# Altium PCB AvionicsSensorBoard.PcbDoc (part 2 of 2) (continued)
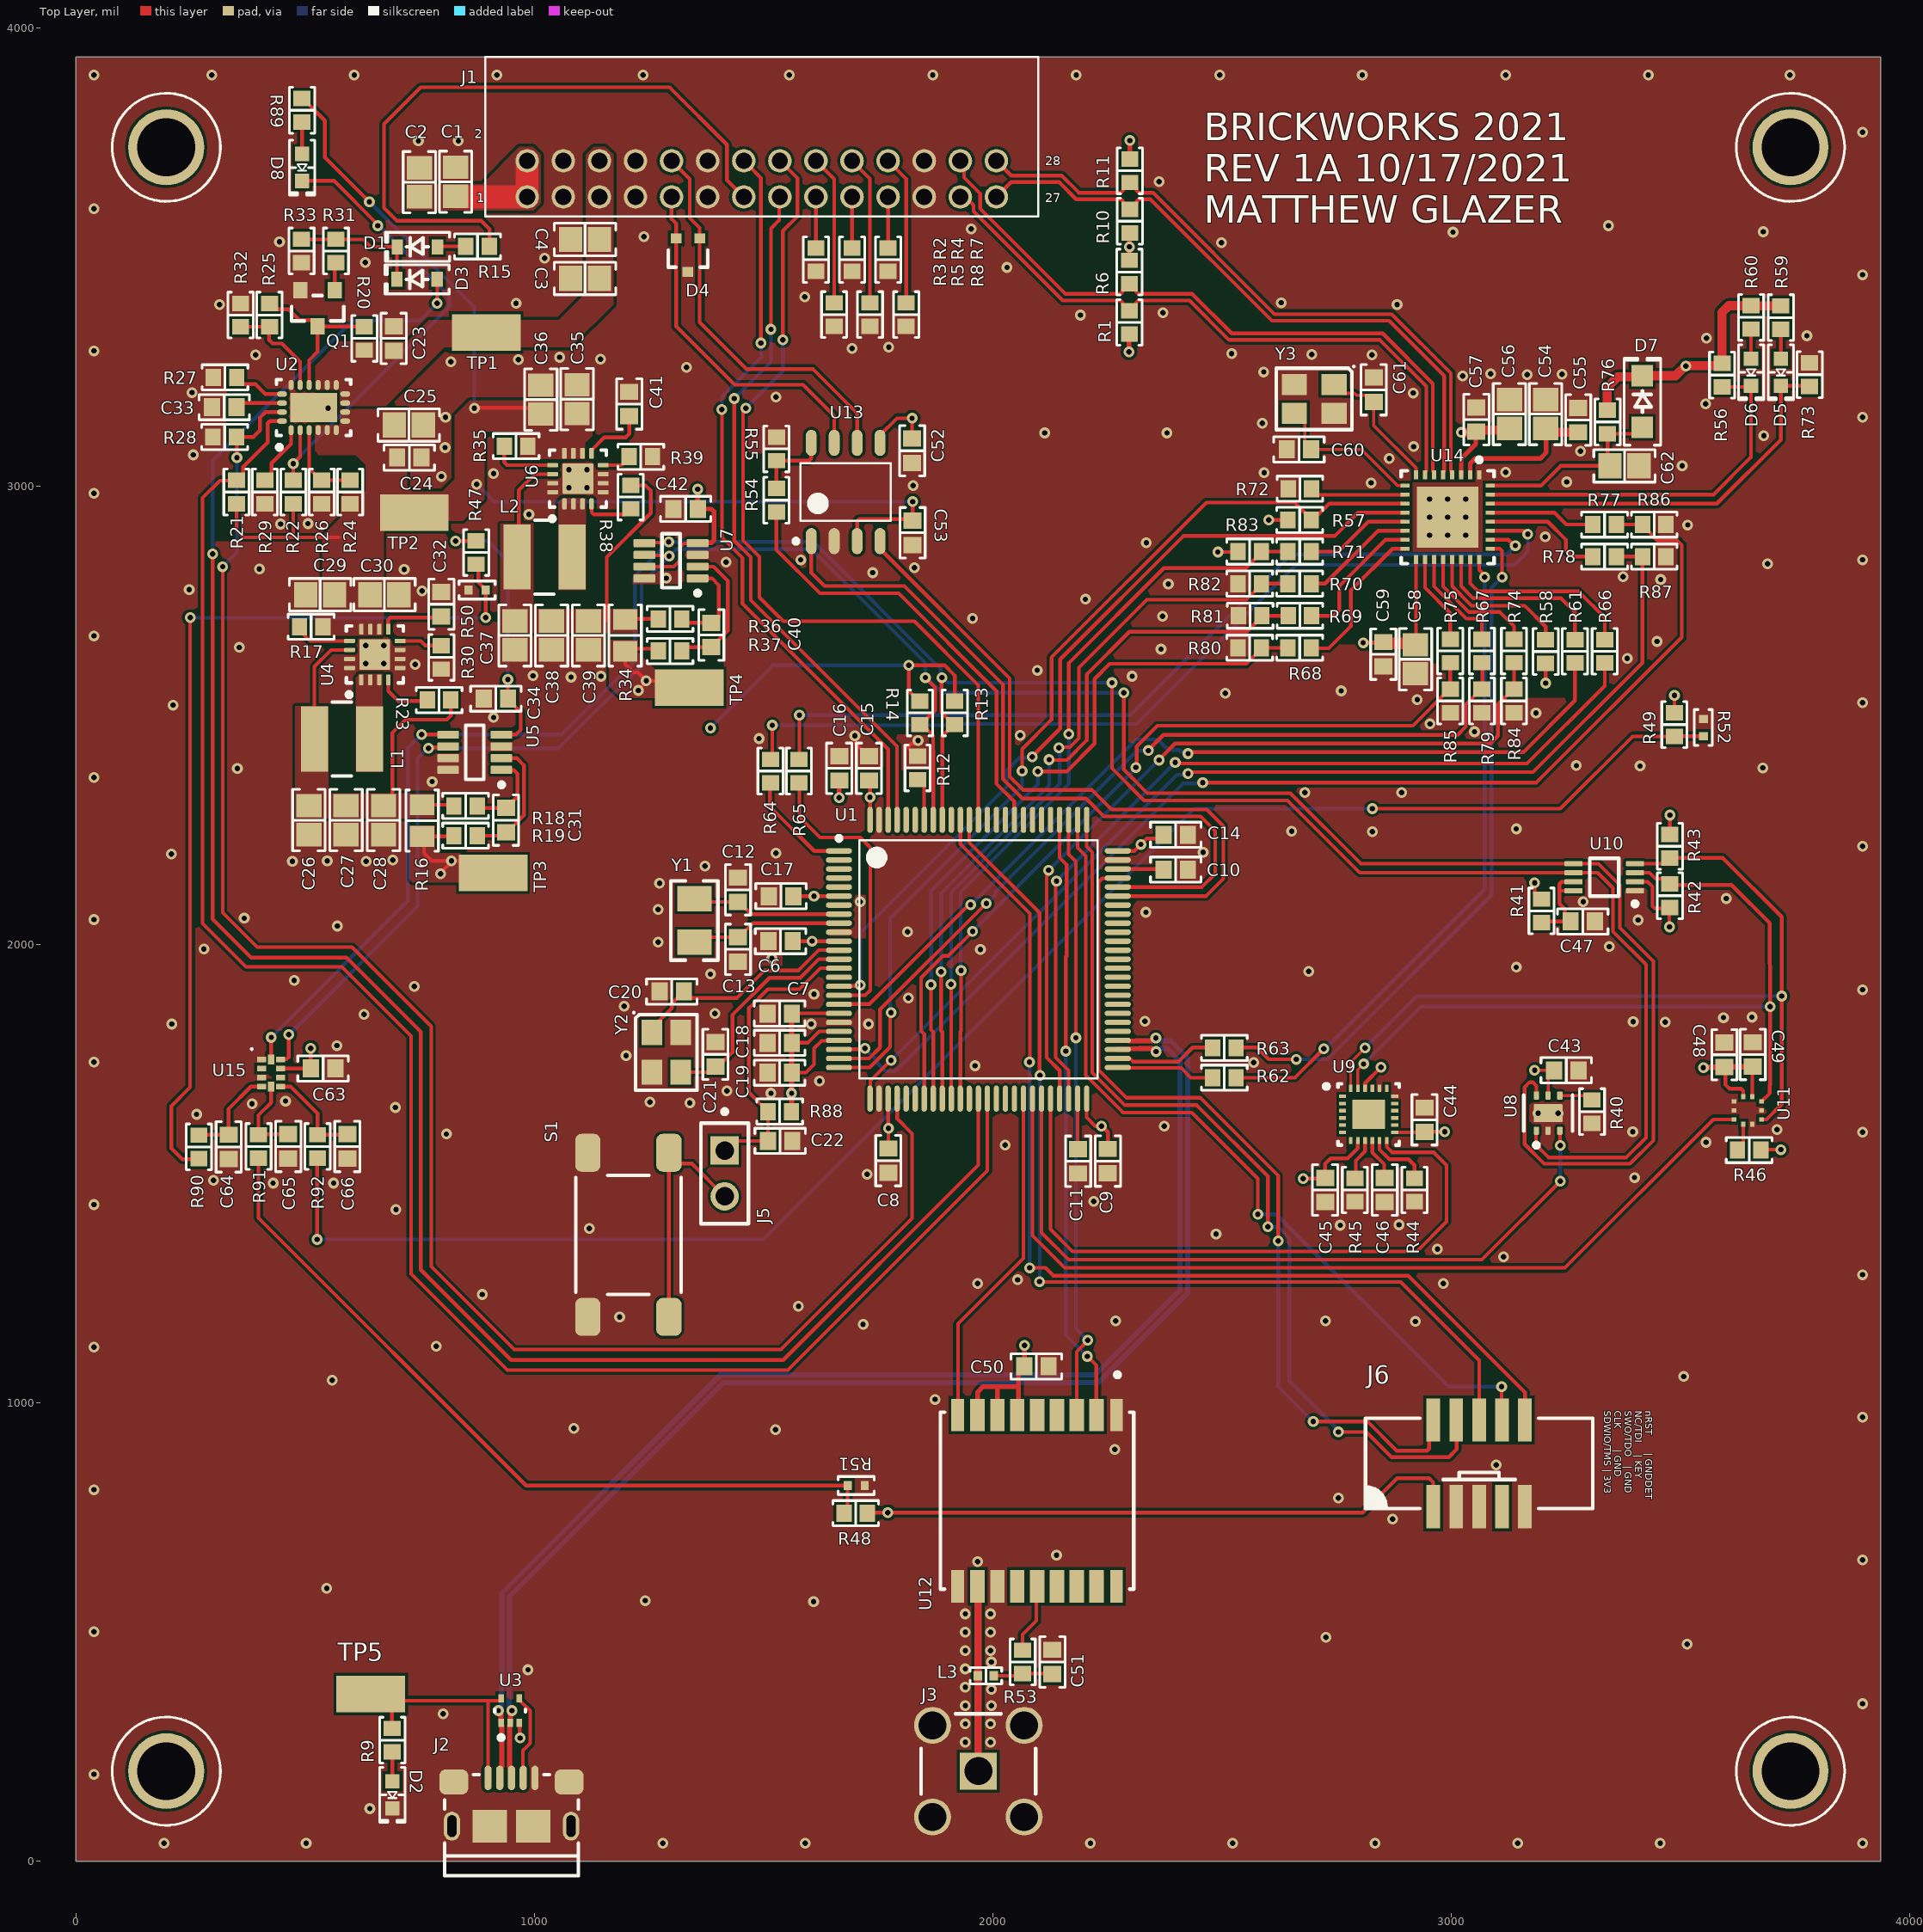
[diagram p0: Top Layer view]
## Nets (pads, with @x,y where several pads share a name; then routed paths per layer and width w, separated by ;. In a path a pad name is that pad's centre, name@x,y a point inside that pad or via, vN(x,y) a via of type N, cw(c..) or ccw(c..) an arc to the next point about the centre after c; other vN are vias at no path point) (continued)
NetJ5_2: J5.2 S1.3 S1.4 | length 518.8
  Top Layer w8: S1.3@1293.58,1187.87 S1.4@1293.58,1545.39 ; S1.4@1293.58,1546.13 S1.4@1293.58,1545.39 ; J5.2@1415,1451 1343.43,1522.57 1316.4,1522.57 S1.4@1293.58,1545.39
NetJ6_6: J6.6 U1.90 | length 2294.3
  Top Layer w8: U1.90@1929.13,2272.64 1929.13,2219.87 2081,2068 2081,1745 v1(2080,1744) ; v1(2080.59,1295) 2115,1295 2132,1278 2906,1278 3161,1023 J6.6@3161,963
  Bottom Layer w8: v1(2080,1744) 2080.3,1743.7 2080.3,1295.3 v1(2080.59,1295)
NetJ6_7: J6.7 U1.77 | length 1870.2
  Top Layer w8: U1.77@2185.04,2272.64 2185.04,2211.96 2203,2194 2203,1715.17 2284.17,1634 2434,1634 2578.19,1489.81 v1(2578.19,1412) ; J6.7@3109,965 3110,966 v1(3110,1036)
  Bottom Layer w8: v1(2578.19,1412) 2618,1412 2994,1036 v1(3110,1036)
NetJ6_8: J6.8 U1.89 | length 2235
  Top Layer w8: U1.89@1948.82,2272.64 1948.82,2223.18 2102,2070 2102,1715.81 v1(2102.81,1715) ; v1(2102,1265) 2103,1264 2890,1264 3061,1093 J6.8@3061,963 J6.8@3061,960
  Bottom Layer w8: v1(2102,1265) 2102.41,1265.41 2102.41,1714.59 v1(2102.81,1715)
NetJ6_9: J6.9 U1.76 | length 2032.1
  Top Layer w8: U1.76@2204.72,2272.64 2204.72,2214.28 2217,2202 2217,1720.97 2287.97,1650 2445,1650 2600,1495 v1(2600,1385) ; v1(2754,937) 2815,937 2870,882 2995,882 3012,899 J6.9@3012,975
  Bottom Layer w8: v1(2600,1385) 2601.36,1383.64 2623.81,1383.64 2647,1360.46 2647,1048 2754,941 v1(2754,937)
NetJ6_10: J6.10 U1.72 | length 1858.6
  Top Layer w8: U1.72@2272.64,2145.67 2248.97,2145.67 2248.3,2145 2239,2145 2231,2137 2231,1726.77 2291.77,1666 2453,1666 2622.81,1496.19 v1(2622.81,1353.81) ; v1(2699,960) 2817,960 2881,896 2947.31,896 2952,900.69 2952,954 J6.10@2961,963
  Bottom Layer w8: v1(2622.81,1353.81) 2622.81,1035.19 2698,960 v1(2699,960)
NetL1_1: L1.1 U4.1 U4.2 U4.3
NetL2_1: L2.1 U6.1 U6.2 U6.3
NetQ1_1: Q1.1 R31.1 | length 60.8
  Top Layer w8: R31.1@564,3489 564.4,3488.6 Q1.1@564.4,3428.37
NetQ1_3: Q1.3 R20.1 R25.2 U2.14 | length 366.3
  Top Layer w8: R25.2@422,3399.59 434.73,3386.86 463.14,3386.86 486.65,3363.35 515.25,3363.35 527,3351.6 Q1.3@527,3349.63 ; U2.14@508.5,3221.5 508.5,3275.5 527,3294 Q1.3@527,3349.63 ; R20.1@630.41,3349 527.63,3349 Q1.3@527,3349.63
NetR12_1: R12.1 U1.94 | length 96.8
  Top Layer w8: R12.1@1835,2360.41 R12.1@1836,2360.41 1836.97,2360.41 1850,2347.38 U1.94@1850,2271
NetR13_1: R13.1 U1.92 U5.5 U7.5 U8.1 U10.6 U15.10 | length 5475.7
  Top Layer w8: U15.10@425.67,1749.69 425.83,1749.85 425.83,1797.83 v1(426,1798) ; v1(754,2459) 754.31,2458.69 810.31,2458.69 U5.5@812,2457 ; U7.5@1243.39,2876.39 1244.69,2877.69 1291.69,2877.69 v1(1293,2879) ; v1(1889,2583) 1888,2582 1888,2507.44 1915.03,2480.41 R13.1@1917,2480.41 ; U1.92@1890,2272 1890,2456.38 1891,2456.38 1914.62,2480 R13.1@1915.03,2480 ; v1(2260,2571.81) 2260,2385 2330,2315 2643,2315 2800.68,2157.32 U10.6@3267,2157.32 3319.68,2157.32 3353,2124 3353,2029 3425,1957 3425,1579 3382,1536 3212,1536 3185,1563 3185,1593 U8.1@3186,1594
  Bottom Layer w8: v1(426,1798) 724,2096 724,2429 v1(754,2459) 1059,2459 1219,2619 1219,2804.66 1293,2878.66 v1(1293,2879) 1608.8,2879 1886.01,2601.79 1886.01,2584.99 v1@1888,2583 ; v1@1890,2579 1894.31,2579 1901.5,2571.81 v1(2260,2571.81)
NetR14_1: R14.1 U1.93 U5.6 U7.6 U8.6 U10.5 U15.9 | length 5641.5
  Top Layer w8: U15.9@444,1750 459,1750 464,1755 v1(464,1804) ; v1(769,2429) 770.9,2430.9 801.9,2430.9 U5.6@803,2432 ; U7.6@1233.1,2849.9 U7.6@1235,2848 ; U7.6@1243.4,2850.4 1244.4,2849.4 1292.6,2849.4 v1(1294,2848) ; R14.1@1841,2480.41 R14.1@1842.97,2480.41 ; R14.1@1845,2482.44 1874,2511.44 1874,2561.54 1853,2582.54 v1(1853,2583) ; R14.1@1845.97,2480.41 1870,2456.38 1870,2423.16 1870.08,2423.08 U1.93@1870.08,2272.64 ; v1(2286,2550) 2286,2382 2337,2331 2649,2331 2803,2177 U10.5@3267,2177 3321,2177 3368,2130 3368,2037 3441,1964 3441,1573 3390,1522 3203,1522 3160,1565 3160,1689 3171.19,1700.19 3177.81,1700.19 3186,1692 U8.6@3186,1671
  Bottom Layer w8: v1(464,1804) 465,1804 745,2084 745,2407 767,2429 1053,2429 1234,2610 1234,2788 1309,2863 1605,2863 1853,2615 v1(1853,2583) ; v1@1856,2582.54 1888.54,2550 v1(2286,2550)
NetR17_1: R17.1 U4.13 | length 127.9
  Top Layer w8: R17.1@485,2688.44 510.44,2663 559.7,2663 ; R17.1@486,2693.44 R17.1@486,2699 ; 559.73,2662.98 U4.13@596.76,2662.98
NetR21_1: R21.1 U1.39 U2.20 | length 3960.4
  Top Layer w8: R21.1@345,3013 314,3013 276.19,2975.19 276.19,2046.81 371,1952 580,1952 731,1801 731,1282 941,1072 1553,1072 1988.19,1507.19 U1.39@1988.19,1664.37 ; R21.1@353,3008 364.7,3019.7 364.7,3042.7 418,3096 418,3138 422.76,3142.76 U2.20@449.45,3142.76
NetR23_1: R23.1 U4.4 | length 126.3
  Top Layer w8: U4.4@681.41,2578.33 681.41,2553.59 703,2532 R23.1@774,2532
NetR24_1: R24.1 R26.2 U2.3 | length 188.1
  Top Layer w8: U2.3@508.5,3123.08 508.5,3039.12 534,3013.62 R26.2@534,3013 ; R26.2@536,3013.59 598.59,3013.59 R24.1@602,3017
NetR25_1: R25.1 R32.2 U2.15 | length 234.1
  Top Layer w8: R32.2@359,3348.41 357.03,3348.41 R25.1@422,3348.41 421,3347.41 421,3320 429,3312 449,3312 488.82,3272.18 U2.15@488.82,3221.5
NetR27_2: R27.2 U2.17 | length 115
  Top Layer w8: R27.2@350.59,3238 350.59,3236.03 363.32,3223.3 391.7,3223.3 413.18,3201.82 U2.17@449.45,3201.82
NetR28_2: R28.2 U1.29 U2.19 | length 3793.5
  Top Layer w8: v1(320,2825) 320,2070 395,1995 602,1995 775,1822 775,1298 956,1117 1538,1117 1824,1403 1824,1588 1791.34,1620.66 U1.29@1791.34,1664.37 1791.34,1668.66 U1.29@1791,1669 ; v1(351,3063) 351,3107 R28.2@350,3108 387,3108 401,3122 401,3150 413.45,3162.45 U2.19@449.45,3162.45
  Bottom Layer w8: v1(320,2825) 351,2856 v1(351,3063)
NetR29_2: R29.2 U2.1 | length 130.3
  Top Layer w8: R29.2@415,3016 416.38,3016 426.7,3026.32 426.7,3050.7 469.13,3093.13 U2.1@469.13,3123.08
NetR30_2: R30.2 U4.8 | length 103.1
  Top Layer w8: U4.8@707,2662.98 752.02,2662.98 762,2653 R30.2@806,2653
NetR35_1: R35.1 U6.13 | length 139.1
  Top Layer w8: R35.1@930,3082 934,3078 934,3053 940.29,3046.71 U6.13@1039.85,3046.71
NetR38_1: R38.1 U6.4 | length 104.8
  Top Layer w8: U6.4@1124,2956 1125,2955 1125,2943.69 1129.69,2939 1197.59,2939 R38.1@1210,2951.41
NetR39_2: R39.2 U6.8 | length 60.6
  Top Layer w8: U6.8@1150.09,3046.71 1190.09,3046.71 1203,3059.62 R39.2@1203,3062
NetR40_2: R40.2 U8.4 | length 73.9
  Top Layer w6.71: U8.4@3237,1671 3297.59,1671 R40.2@3307,1661.59
NetR42_1: R42.1 U9.23 U10.3 U11.2 | length 1733.8
  Top Layer w6: U9.23@2796.69,1686.69 2796,1687.38 2796,1727 v1(2809,1740)
  Top Layer w8: U10.3@3400.86,2157.32 3432.68,2157.32 3446.03,2143.97 3463.62,2143.97 3477,2130.59 3611.41,2130.59 3695,2047 v1(3696,1865) 3696,1693.29 ; U11.2@3677,1658 3677.08,1658.08 U11.2@3677.08,1658.37 3695,1676.29 3695,1693
  Bottom Layer w8: v1(2809,1740) 2934,1865 v1(3696,1865)
NetR43_1: R43.1 U9.24 U10.4 U11.4 | length 1900.6
  Top Layer w6: U9.24@2780.81,1688.19 2780.81,1743.81 v1(2812,1775)
  Top Layer w8: U10.4@3400.86,2177 3464.59,2177 R43.1@3477,2189.41 3592.59,2189.41 3721,2061 3721,1652 3688,1619 U11.4@3677.08,1619
  Bottom Layer w8: v1(2812,1775) 2925,1888 v1(3721,1888)
NetR44_1: R44.1 U9.11 | length 138.6
  Top Layer w8: U9.11@2843.62,1572.91 2843.69,1572.85 2843.69,1553.32 2865,1532 2907,1532 2920,1519 R44.1@2920,1490.59
NetR45_1: R45.1 U9.9 | length 90.7
  Top Layer w8: R45.1@2791,1491 2792,1492 2792,1529 2812.13,1549.13 U9.9@2812.13,1572.91
NetR46_2: R46.2 U11.6 | length 66.1
  Top Layer w6.71: R46.2@3626.41,1547 3637.2,1557.79 U11.6@3637.2,1608.65
NetR47_1: R47.1 R50.2 R90.1 | length 2012
  Top Layer w8: v1@249,2713 249,1689 208,1648 208,1556 232,1532 R90.1@274,1532 ; R47.1@878,2823 878,2790.68 893.7,2774.98 R50.2@893.7,2774 893.85,2773.85 893.85,2714.15 v1(894,2714)
  Bottom Layer w8: v1(249,2714) 249,2713 249.5,2713.5 893.5,2713.5 v1(894,2714)
NetR48_1: R48.1 R51.2 R91.1 | length 1734.5
  Top Layer w8: R91.1@388,1537 398,1527 398,1404 982,820 R51.2@1683.3,820 1683.3,750.3 R48.1@1683,750
NetR49_1: R49.1 R52.2 R92.1 | length 3661.3
  Top Layer w8: v1(526,1357) 526,1538 R92.1@527,1539 ; v1(2828,2297) 3238,2297 3395.82,2454.82 R49.1@3487,2454.82 3487.48,2455.3 R52.2@3550,2455.3
  Bottom Layer w8: v1(526,1357) 1499,1357 2439,2297 v1(2828,2297)
NetR53_1: R53.1 U12.14 | length 152.5
  Top Layer w8: R53.1@2065,460.59 2065,495 2095,525 2095,598.39 U12.14@2096.61,600
NetR54_1: R54.1 R55.2 U13.8 | length 172.9
  Top Layer w8: R54.1@1528,2995.59 R55.2@1528,3056.41 1599.31,3056.41 1604,3061.1 U13.8@1604,3095.28
NetR54_2: R54.2 U1.84 | length 988.9
  Top Layer w8: R54.2@1528,2944.41 1528,2862 1623,2767 1794.62,2767 2008,2553.62 2008,2351.55 2046.51,2313.04 2046.51,2271.49 U1.84@2047,2271
NetR57_1: R57.1 U1.25 U14.11 | length 2070.9
  Top Layer w8: U1.25@1664.37,1732.28 1731.44,1732.28 1776,1776.85 1776,1850.15 v1(1777.99,1852.14) ; v1(2064,2379) 2064,2427 2128,2491 2128,2627 2466,2965 2658.97,2965 2695,2928.97 R57.1@2695,2927 2698,2927 2733.6,2962.6 U14.11@2899.61,2962.6
  Bottom Layer w8: v1(1777.99,1852.14) 1776,1854.13 1776,2058 2064,2346 v1(2064,2379)
NetR58_1: R58.1 U14.21 | length 327.4
  Top Layer w8: U14.21@3001.97,2840.55 3001.97,2782.43 3044.4,2740 3160.32,2740 3206,2694.32 R58.1@3206,2665.59
NetR61_1: R61.1 U1.18 | length 1987.6
  Top Layer w8: U1.18@1664.37,1870.08 1665.1,1870.81 1731.12,1870.81 1939.54,2079.23 1940.01,2079.23 1948.22,2087.44 v1(1951.6,2087.44) ; v1(2426,2417.19) 2428.99,2420.18 3157.18,2420.18 3270,2533 R61.1@3270,2614.82
  Bottom Layer w8: v1(1951.6,2087.44) 1952.44,2087.44 2313,2448 2360,2448 2383,2425 2406.85,2425 2411.67,2420.18 2423.01,2420.18 v1(2426,2417.19)
NetR61_2: R61.2 U14.22 | length 389.8
  Top Layer w8: U14.22@3021.65,2840.55 3021.65,2782.55 3048.2,2756 3240,2756 3270,2726 R61.2@3270,2666
NetR62_1: R62.1 U14.24 | length 1435.2
  Top Layer w8: R62.1@2533,1709 2534,1710 2659,1710 v1(2722,1773) ; U14.24@3061.02,2840.55 3061.02,2818.2 3073,2806.23 v1(3073,2802)
  Bottom Layer w8: v1(2722,1773) 2725,1773 3073,2121 v1(3073,2802)
NetR62_2: R62.2 U1.51 | length 216
  Top Layer w8: U1.51@2272.64,1732.28 2273.37,1731.55 2299.65,1731.55 2300.01,1731.19 2410.81,1731.19 2432,1710 R62.2@2479.41,1710
NetR63_1: R63.1 U14.25 | length 1499.8
  Top Layer w8: R63.1@2537,1775 2538,1776 2576,1776 2602,1750 v1(2662,1750) ; U14.25@3084.65,2864.17 3106.31,2864.17 3111,2859.49 v1(3111,2802)
  Bottom Layer w8: v1(2662,1750) 2730,1750 3088,2108 3088,2779 v1(3111,2802)
NetR63_2: R63.2 U1.52 | length 222.8
  Top Layer w8: U1.52@2272.64,1751.97 2273.37,1751.24 2299.76,1751.24 2305.81,1745.19 2405.19,1745.19 2436,1776 2478.41,1776 R63.2@2479.41,1775
NetR64_1: R64.1 U14.27 | length 2009
  Top Layer w8: R64.1@1515,2404.59 1519,2408.59 1519,2478 v1@1517,2480 ; R64.1@1528,2402 R64.1@1528,2404.59 ; U14.27@3084.65,2903.54 3156.75,2903.54 3164.29,2896 v1(3167,2896)
  Bottom Layer w8: v1(1519,2479) 1918.61,2479 1921.42,2481.81 2313.81,2481.81 2661,2829 3138,2829 3167,2858 v1(3167,2896)
NetR64_2: R64.2 U1.1 | length 244.2
  Top Layer w8: R64.2@1514,2355 1514,2301 1610.28,2204.72 U1.1@1664.37,2204.72
NetR65_1: R65.1 U14.26 | length 1876.4
  Top Layer w8: R65.1@1577,2404.59 1578,2405.59 v1(1578,2501) v1@1578,2504 ; R65.1@1590,2404 R65.1@1590,2404.59 ; U14.26@3084.65,2883.86 3124.44,2883.86 3137.29,2871 v1(3140,2871)
  Bottom Layer w8: v1(1578,2501) 2300,2501 2651,2852 3121,2852 v1(3140,2871)
NetR65_2: R65.2 U1.17 | length 639.9
  Top Layer w8: R65.2@1578,2352 1578,2279 1623,2234 1711,2234 1732.81,2212.19 1732.81,1900.81 1721.76,1889.76 U1.17@1664.37,1889.76
NetR66_1: R66.1 U1.48 | length 1911.5
  Top Layer w8: v1(2139.08,2138.92) 2137.19,2137.03 2137.19,1753.81 2165.18,1725.82 2165.18,1664.55 U1.48@2165.35,1664.37 ; v1(2398,2398) 2400.62,2395.38 3165.38,2395.38 3335,2565 R66.1@3335,2614.82
  Bottom Layer w8: v1(2139.08,2138.92) 2139.08,2139.08 v1(2398,2398)
NetR66_2: R66.2 U14.23 | length 424.5
  Top Layer w8: U14.23@3041.34,2840.55 3041.34,2788.66 3059,2771 3278,2771 3335,2714 R66.2@3335,2666
NetR67_1: R67.1 R79.2 U1.24 | length 1875.7
  Top Layer w8: U1.24@1664.37,1751.97 1729.97,1751.97 1754,1776 1754,1859 1985,2090 v1(1986,2090) ; v1(2339.21,2423.79) 2339.21,2425.21 2372,2458 3014,2458 3032,2476 3032,2524.56 3065.03,2557.59 R79.2@3067,2557.59 ; R79.2@3068.03,2558 3068.03,2613.85 R67.1@3070,2615.82
  Bottom Layer w8: v1(1986,2090) 2006,2110 2006,2114.85 2314.95,2423.79 v1(2339.21,2423.79)
NetR67_2: R67.2 U14.19 | length 232.6
  Top Layer w8: U14.19@2962.6,2840.55 2962.6,2782.21 3033.3,2711.5 3059.5,2711.5 3067,2704 R67.2@3067,2666.59
NetR68_1: R68.1 R80.2 U1.33 | length 1554.3
  Top Layer w8: v1(1865.19,1913) 1865.19,1814.81 1870.08,1809.92 U1.33@1870.08,1664.37 ; v1(2098,2378) 2161,2378 2222,2439 2222,2580 2255,2613 2552.97,2613 R80.2@2586,2646.03 ; R80.2@2586,2648 R80.2@2586,2646.03 ; R68.1@2643.82,2648 2587.97,2648 R80.2@2586,2646.03
  Bottom Layer w8: v1(1865.19,1913) 1865.38,1913.19 1865.38,2117.38 2098,2350 v1(2098,2378)
NetR68_2: R68.2 U14.16 | length 340.7
  Top Layer w8: R68.2@2695,2648 2696,2647 2733,2647 2781,2695 2781,2773 2872.17,2864.17 U14.16@2899.61,2864.17
NetR69_1: R69.1 R81.2 U1.34 | length 1576.3
  Top Layer w8: v1(1887.19,1940.91) 1887,1940.72 1887,1812.75 1889.76,1809.99 U1.34@1889.76,1664.37 ; v1(2123,2404) 2124,2403 2162,2403 2205,2446 2205,2590 2298,2683 2553.97,2683 2587,2716.03 R81.2@2587,2718 R69.1@2644.41,2718
  Bottom Layer w8: v1(1887.19,1940.91) 1887.19,2112.19 2123,2348 v1(2123,2404)
NetR69_2: R69.2 U14.15 | length 303.2
  Top Layer w8: R69.2@2695.59,2718 2743,2718 2756,2731 2756,2783 2856.86,2883.86 U14.15@2899.61,2883.86
NetR70_1: R70.1 R82.2 U1.35 | length 1604.8
  Top Layer w8: v1(1909,1914) 1909.22,1913.78 1909.22,1664.59 U1.35@1909.45,1664.37 ; v1(2144.19,2430) 2145.19,2431 2168,2431 2187.81,2450.81 2187.81,2604.81 2336,2753 2552.97,2753 R82.2@2586,2786.03 ; R82.2@2586,2788 R82.2@2586,2786.03 ; R70.1@2643.82,2788 2587.97,2788 R82.2@2586,2786.03
  Bottom Layer w8: v1(1909,1914) 1909,2114.2 2146,2351.2 2146,2428.19 v1(2144.19,2430)
NetR70_2: R70.2 U14.14 | length 252.5
  Top Layer w8: R70.2@2695,2788 2725,2788 2840.54,2903.54 U14.14@2899.61,2903.54
NetR71_1: R71.1 R83.2 U1.36 | length 1614.8
  Top Layer w8: U1.36@1930,1680 1929.13,1680.87 1929.13,1810.07 1930.81,1811.75 v1(1930.81,1944) ; v1(2166,2460) 2166,2615 2373,2822 2551.97,2822 R83.2@2586,2856.03 ; R83.2@2586,2858 R83.2@2586,2856.03 ; R71.1@2643.82,2858 2587.97,2858 R83.2@2586,2856.03
  Bottom Layer w8: v1(1930.81,1944) 1929.79,1945.02 1929.79,2115.19 2166,2351.4 v1(2166,2460)
NetR71_2: R71.2 U14.13 | length 231.6
  Top Layer w8: R71.2@2695,2858 2754,2858 2819.23,2923.23 U14.13@2899.61,2923.23
NetR72_2: R72.2 U14.10 | length 209.5
  Top Layer w8: R72.2@2695.59,2995 2708.59,2982 2899.32,2982 U14.10@2899.61,2982.28
NetR74_1: R74.1 R84.2 U1.47 | length 1795.9
  Top Layer w8: v1(2121.46,2162.73) 2118.47,2159.74 2118.47,2149.16 2117.27,2147.96 2117.27,1753.93 2146,1725.2 2146,1664.7 U1.47@2145.67,1664.37 ; v1(2363,2403) 2363,2404.46 2397.54,2439 3085,2439 3102,2456 3102,2524.56 3135.44,2558 R84.2@3141,2558 ; R74.1@3137,2615.41 3137,2563 R84.2@3142,2558
  Bottom Layer w8: v1(2121.46,2162.73) 2122.1,2162.73 2362.36,2403 v1(2363,2403)
NetR74_2: R74.2 U14.20 | length 277.7
  Top Layer w8: U14.20@2982.28,2840.55 2982.28,2782.32 3038.6,2726 3106.32,2726 3137,2695.32 R74.2@3137,2666.59
NetR75_1: R75.1 R85.2 U1.32 | length 1763.5
  Top Layer w8: U1.32@1850.39,1667.61 1850.39,1805.2 1843.38,1812.22 1843.38,1928.03 1891.08,1975.74 1902.74,1975.74 v1(1956,2029) ; v1(2312,2387) 2314,2389 2314,2433 2359,2478 2916.44,2478 2996.03,2557.59 R85.2@2998,2557.59 R75.1@2998,2615.41
  Bottom Layer w8: v1(1956,2029) 1956,2029.15 2312,2385.15 v1(2312,2387)
NetR75_2: R75.2 U14.18 | length 196.8
  Top Layer w8: U14.18@2942.91,2840.55 2942.91,2779.09 2998,2724 R75.2@2998,2666.59
NetR77_1: R77.1 R86.2 U1.23 | length 2609.9
  Top Layer w8: U1.23@1673.33,1771.33 1674.38,1772.38 1719.54,1772.38 v1(1720.93,1773.78) ; v1(2458,2354) 3186,2354 3503,2671 3503,2872 3493,2882 3450.44,2882 3417.41,2915.03 R86.2@3417.41,2917 R77.1@3360.18,2917
  Bottom Layer w8: v1(1720.93,1773.78) 1744.96,1749.75 1744.96,1745.04 1766,1724 1787,1724 2414.76,2351.76 2455.76,2351.76 v1(2458,2354)
NetR77_2: R77.2 U14.29 | length 235.1
  Top Layer w8: U14.29@3084.65,2942.91 3225.09,2942.91 3251,2917 R77.2@3309,2917
NetR78_1: R78.1 R87.2 U1.26 | length 2395.6
  Top Layer w8: U1.26@1732,1659 1733.01,1660.01 1733.01,1703.01 v1(1778,1748) ; v1(2426,2373.57) 2428.99,2376.56 3178.56,2376.56 3417.41,2615.41 R87.2@3417.41,2847 R78.1@3360.18,2847
  Bottom Layer w8: v1(1778,1748) 1779,1748 2402.19,2371.19 2423.62,2371.19 v1(2426,2373.57)
NetR78_2: R78.2 U14.28 | length 269.4
  Top Layer w8: U14.28@3084.65,2923.23 3210.77,2923.23 3250,2884 3250,2861 3264,2847 R78.2@3309,2847
NetU1_16: U1.16 U14.12 | length 1839.6
  Top Layer w8: U1.16@1664.37,1909.45 1665.1,1910.18 1709.18,1910.18 v1(1711,1912) ; v1(2086,2410) 2086,2411 2147,2472 2147,2623 2416,2892 2746,2892 2796.91,2942.91 U14.12@2899.61,2942.91
  Bottom Layer w8: v1(1711,1912) 1711,2026 2031,2346 2031,2381 2058.03,2408.03 2084.03,2408.03 v1(2086,2410)
NetU1_43: U1.43 U12.9 | length 752.4
  Top Layer w8: U12.9@1922,972 1924,974 1924,1173 2066.93,1315.93 U1.43@2066.93,1664.37
NetU1_44: U1.44 U11.7 | length 1992.7
  Top Layer w8: U1.44@2086.61,1664.37 2086.61,1365.39 2157,1295 3248,1295 3572,1619 U11.7@3617,1619
NetU1_45: U1.45 U8.3 | length 1630.9
  Top Layer w8: U1.45@2106.3,1664.37 2106.3,1371.7 2165,1313 3067,1313 v1(3238,1484) ; U8.3@3237,1595 3237.5,1594.5 3237.5,1562.5 v1(3238,1562)
  Bottom Layer w8: v1(3238,1484) v1(3238,1562)
NetU1_46: U1.46 U9.12 | length 1480.3
  Top Layer w8: U1.46@2125.98,1664.37 2125.98,1379.02 2174,1331 2925,1331 2990,1396 2990,1519 2962,1547 2871.41,1547 2859.43,1558.98 U9.12@2859.37,1572.91 U9.12@2859.37,1572.91
NetU1_70: U1.70 U13.4 | length 1492
  Top Layer w8: U13.4@1754,2880.72 1754,2863.98 2037,2580.98 2037,2367 2066,2338 2216,2338 2259,2295 2467,2295 2503,2259 2503,2144 2465.3,2106.3 U1.70@2283.3,2106.3
NetU1_71: U1.71 U13.1 | length 1624.9
  Top Layer w8: U13.1@1604,2880.72 1604,2812 1633,2783 1807,2783 2022,2568 2022,2362.2 2065.2,2319 2203.49,2319 2242.49,2280 2453,2280 2485,2248 2485,2155 2456,2126 U1.71@2269,2126
NetU1_78: U1.78 U12.3 | length 1328.8
  Top Layer w8: U1.78@2165.35,2272.64 2165.35,2197.65 2181.19,2181.81 v1(2181.19,1797) ; U12.3@2183,970 2183,1112 v1@2207,1136
  Bottom Layer w8: v1(2181.19,1797) 2181.19,1162.81 v1(2207,1137)
NetU1_79: U1.79 U12.2 | length 1337.5
  Top Layer w8: U1.79@2145.67,2272.64 2145.67,2190.33 2160.89,2175.11 2160.89,1975.42 2159.38,1973.91 2159.38,1768.38 v1(2159,1768) ; v1(2206,1102) 2226,1082 U12.2@2226,970
  Bottom Layer w8: v1(2159,1768) 2159,1149 v1(2206,1102)
RF_IN: J3.1 L3.1 U12.11 | length 401.1
  Top Layer w15.96: U12.11@1967.68,597.6 1967.68,197.68 J3.1@1968.5,196.85
USB_HEADER_N: J2.2 U1.53 U3.1 | length 2809.4
  Top Layer w10.91: v1(921.38,328.88) 921.38,325.44 926.86,319.96 926.86,302.88 U3.1@927.32,302.43 ; J2.2@924.41,182.09 924.41,202.1 928.75,206.44 928.75,237.16 928.7,237.2 928.7,295.62 U3.1@928.55,295.78 ; U1.53@2272.64,1771.65 2295.52,1771.65 2296.91,1773.04 2319.64,1773.04 2319.95,1773.35 2346.21,1773.35 2352.56,1767 v1(2356,1767)
  Bottom Layer w10.91: v1(921.38,328.88) 921.38,332.32 927.69,338.63 927.69,400.84 928.7,401.86 928.7,584.94 1405.07,1061.31 2222.63,1061.31 2408.4,1247.08 2408.4,1745.52 2380.44,1773.48 2365.92,1773.48 2359.44,1767 v1(2356,1767)
USB_HEADER_P: J2.3 U1.54 U3.2 | length 2836.5
  Top Layer w10.91: U3.2@945.77,295.78 945.61,295.62 945.61,244.21 945.66,244.16 945.66,206.44 950,202.1 J2.3@950,182.09 ; U3.2@947,302.43 947.45,302.88 947.45,322.01 951,325.56 v1(951,329) ; U1.54@2272.64,1791.34 2295.52,1791.34 2296.91,1789.95 2312.64,1789.95 2312.95,1790.26 2345.89,1790.26 2352.25,1796.62 v1(2355.69,1796.62)
  Bottom Layer w10.91: v1(951,329) 951,332.44 944.6,338.85 944.6,393.84 945.61,394.85 945.61,577.93 1412.08,1044.4 2229.63,1044.4 2425.31,1240.07 2425.31,1752.53 2387.44,1790.39 2365.36,1790.39 2359.13,1796.62 v1(2355.69,1796.62)
pads on no net: J6.4 U1.2 U1.3 U1.4 U1.5 U1.7 U1.15 U1.30 U1.31 U1.37 U1.40 U1.41 U1.42 U1.55 U1.56 U1.57 U1.58 U1.59 U1.60 U1.61 U1.62 U1.63 U1.64 U1.65 U1.66 U1.67 U1.68 U1.69 U1.80 U1.81 U1.82 U1.83 U1.85 U1.86 U1.87 U1.91 U1.95 U1.96 U4.17@651.88,2633.45 U6.17@1094.97,3017.18 U9.1 U9.2 U9.3 U9.4 U9.5 U9.6 U9.7 U9.14 U9.15 U9.16 U9.17 U9.19 U9.21 U9.25 U12.4 U12.5 U12.13 U12.15 U12.16 U12.17 U12.18 U15.2 U15.7

## Polygon pours and split planes (outlines as drawn)
GND on Bottom Layer "Bot Layer- GND" (solid, remove dead copper, pour order 31): 0,0 3937.01,0 3937.01,3937.01 0,3937.01
GND on Top Layer "Top Layer-GND" (solid, remove dead copper, pour order 30): 0,0 3937.01,0 3937.01,3937.01 0,3937.01
NetL2_1 on Top Layer "Top Layer-NetL2_1" (solid, remove dead copper, pour order 23): 1112,2975 1061,2975 1052,2966 1052,2774 1112,2774
NetL1_1 on Top Layer "Top Layer-NetL1_1" (solid, remove dead copper, pour order 24): 669,2591 669,2378 610,2378 610,2583 618,2591
+3.3 on Top Layer "Top Layer-+3.3" (solid, remove dead copper, pour order 22): 783,2260 783,2210 793,2200 837,2200 851,2186 851,2143 844,2136 734,2136 728,2142 728,2260
+1.8 on Top Layer "Top Layer-+1.8" (solid, remove dead copper, pour order 21): 1226,2665 1226,2638 1270,2594 1270,2539 1188,2539 1163,2564 1163,2665
+12_Supply on Top Layer "Top Layer-+12_Supply" (solid, remove dead copper, pour order 25): 1014,3618 998,3602 720,3602 720,3660 886,3660 967,3741 997,3741 1014,3724
+5 on Top Layer "Top Layer-+5" (solid, remove dead copper, pour order 29): 722,3169 722,3000 733,2989 799,2989 826,3016 826,3155 859,3188 1126,3188 1126,3111 1110,3095 1110,3060 971,3060 968,3063 968,3108 956,3120 897,3120 891,3114 891,2972 844,2925 695,2925 671,2901 671,2677 669,2675 521,2675 521,2720 537,2736 537,2892 577,2932 577,2979 584,2986 627,2986 632,2991 632,3047 610,3069 530,3069 521,3078 521,3134 576,3134 576,3169
NetC37_2 on Top Layer "Top Layer-NetC62_2" (solid, remove dead copper, pour order 26): 1226,2680 1226,2733 1006,2733 998,2741 998,2919 926,2919 926,2912 926,2680
NetC26_2 on Top Layer "Top Layer-NetC62_2" (solid, remove dead copper, pour order 27): 782,2276 782,2330 558,2330 550,2338 550,2521 477,2521 478,2520 478,2276
+5_Supply on Top Layer "Top Layer-+5_Supply" (solid, remove dead copper, pour order 28): 1172,3724.82 1172,3397 1079,3304 804,3304 676,3176 576,3176 576,3211 522,3211 522,3264 574,3316 723,3316 770,3363 1053,3363 1112,3422 1112,3724 1129,3741 1154.2,3741
GND on Layer 2 (split plane): 3916.91,20.1 20.1,20.1 20.1,3916.91 3916.91,3916.91
+3.3 on Layer 2 (split plane): 168 vertices, not listed, extent 474.06,747.06 3534.94,3771.94
+1.8 on Layer 2 (split plane): 1273.84,2586.84 1303.84,2556.84 1304.83,2556.17 1306,2555.94 2229.73,2555.94 2263.84,2521.84 2264.83,2521.17 2266,2520.94 2463.73,2520.94 2876.94,2107.73 2876.94,1722 2877.17,1720.83 2877.84,1719.84 2893.84,1703.84 3057.84,1539.84 3058.83,1539.17 3060,1538.94 3555,1538.94 3556.17,1539.17 3557.16,1539.84 3583.16,1565.84 3583.83,1566.83 3584.06,1568 3584.06,1676 3583.83,1677.17 3583.16,1678.16 3452.06,1809.27 3452.06,2285.73 3466.27,2299.94 3488.73,2299.94 3501.94,2286.73 3501.94,1803 3502.17,1801.83 3502.84,1800.84 3605.94,1697.73 3605.94,1574 3606.17,1572.83 3606.84,1571.84 3610.84,1567.84 3611.83,1567.17 3613,1566.94 3725.73,1566.94 3734.94,1557.73 3734.94,1547.27 3724.73,1537.06 3595,1537.06 3593.83,1536.83 3592.84,1536.16 3571.73,1515.06 3039.27,1515.06 2860.16,1694.16 2859.17,1694.83 2858,1695.06 2847,1695.06 2845.83,1694.83 2844.84,1694.16 2692.84,1542.16 2692.17,1541.17 2691.94,1540 2691.94,1485.27 2682.73,1476.06 2668.27,1476.06 2662.06,1482.27 2662.06,1558.73 2825.16,1721.84 2832.16,1728.84 2832.83,1729.83 2833.06,1731 2833.06,2091 2832.83,2092.17 2832.16,2093.16 2452.69,2472.63 2452.83,2472.83 2453.06,2474 2452.83,2475.17 2452.16,2476.16 2451.17,2476.83 2450,2477.06 2245.27,2477.06 2200.16,2522.16 2199.17,2522.83 2198,2523.06 1222.27,2523.06 1204.06,2541.27 1204.06,2576.73 1223.27,2595.94 1264.73,2595.94
GND on Layer 1 (split plane): 3916.91,20.1 20.1,20.1 20.1,3916.91 3916.91,3916.91

## Other copper
Top Layer:
  pour cut-out: 1694,2109 1724,2109 1724,2116 1694,2116
  pour cut-out: 1693,2007 1723,2007 1723,2014 1693,2014
  pour cut-out: 1630,2042 1630,2012 1637,2012 1637,2042
  pour cut-out: 291,2880 353,2880 353,2887 291,2887
  pour cut-out: 1797,2374 1817,2374 1817,2381 1797,2381
  pour cut-out: 1754,2459 1826,2459 1826,2466 1754,2466
  pour cut-out: 1472,3064 1502,3064 1502,3071 1472,3071
  pour cut-out: 1215,2739 1215,2787 1387,2787 1387,2739
  pour cut-out: 1167,2819 1215,2819 1215,2739 1167,2739
  pour cut-out: 3161,2539 3261,2539 3261,2546 3161,2546
  pour cut-out: 2762,2655 2792,2655 2792,2662 2762,2662
  pour cut-out: 2958,2644 2958,2614 2965,2614 2965,2644
  pour cut-out: 3161,3156 3161,3126 3168,3126 3168,3156
  pour cut-out: 474,3713 474,3683 481,3683 481,3713
  pour cut-out: 330,3220 330,3190 337,3190 337,3220
  pour cut-out: 328,3154 328,3124 335,3124 335,3154
  pour cut-out: 376,3027 376,2997 383,2997 383,3027
  pour cut-out: 436,3024 436,2994 443,2994 443,3024
  pour cut-out: 1406,2633 1406,2603 1413,2603 1413,2633
  pour cut-out: 2231,2558 2231,2528 2253,2528 2253,2558
  pour cut-out: 2220,2321 2220,2291 2258,2291 2258,2321
  pour cut-out: 2431,1702 2431,1672 2453,1672 2453,1702
  pour cut-out: 1611,1753 1611,1723 1633,1723 1633,1753
  pour cut-out: 1541,1983 1541,1953 1548,1953 1548,1983
  pour cut-out: 2980,1015 2980,911 2992,911 2992,1015
  pour cut-out: 3030,1015 3030,911 3042,911 3042,1015
  pour cut-out: 3080,1011 3080,911 3092,911 3092,1011
  pour cut-out: 3130,1014 3130,911 3142,911 3142,1014
  pour cut-out: 788,2557 788,2511 796,2511 796,2557
  pour cut-out: 556,2525 604,2525 604,2354 556,2354
  pour cut-out: 1001,2922 1049,2922 1049,2751 1001,2751
Bottom Layer:
  pour cut-out: 1954.16,2006.13 1954.16,1976.13 1992.16,1976.13 1992.16,2006.13
  pour cut-out: 2441.16,2339.13 2441.16,2309.13 2479.16,2309.13 2479.16,2339.13
  pour cut-out: 1773,1716 1773,1648 1811,1686 1811,1716
Layer 2 (plane layer: these items are gaps in the copper):
  lines w6: 2448,2474 2448,2473 2830,2091 2830,1731 2823,1724 2659,1560 2659,1481 2667,1473 2684,1473 2695,1484 2695,1540 2847,1692 2858,1692 3038,1512 3573,1512 3595,1534 3726,1534 3738,1546 3738,1559 3727,1570 3613,1570 3609,1574 3609,1699 3505,1803 3505,2288 3490,2303 3465,2303 3449,2287 3449,1808 3581,1676 3581,1568 3555,1542 3060,1542 2896,1706 2880,1722 2880,2109 2465,2524 2266,2524 2231,2559 1466,2559 1306,2559 1276,2589 1266,2599 1222,2599 1201,2578 1201,2540 1221,2520 1427,2520 2198,2520 2244,2474 2450,2474 ; 3538,3282 3538,3315 3078,3775 2216,3775 2180,3739 2180,3592 2043,3455 1812,3455 1486,3129 1351,3129 1134,2912 1134,2829 911,2606 911,2520 767,2376 710,2319 710,2148 495,1933 495,1427 471,1403 471,1262 494,1239 989,744 1778,744 2086,1052 2086,1133 2076,1143 2068,1143 2062,1143 2052,1133 2052,1064 1766,778 1005,778 505,1278 505,1379 529,1403 529,1934 727,2132 830,2132 898,2200 898,2353 979,2434 1413,2434 1582,2265 1582,2119.5 1582,2009 1540,1967 1540,1653 1610,1583 2230,1583 2249,1583 2254,1588 2254,1613 2249,1618 2226,1618 1639,1618 1602,1655 1588,1669 1588,1954 1628,1994 1628,2269 1641,2282 1664,2305 2213,2305 2316,2202 2330,2202 2340,2212 2340,2226 2228,2338 1823,2338 1728,2338 1637,2338 1575,2338 1417,2496 1182,2496 1119,2559 1119,2667 1251,2799 1251,2892 1322,2963 1470,2963 1605,3098 1663,3098 2096,3098 2181,3013 2181,2828 2539,2470 3114,2470 3165,2419 3165,1718 3174,1709 3189,1709 3199,1719 3199,2419 3250,2470 3475,2470 3538,2533 3538,3283

## Silkscreen, mask and mechanical layers (free items; w line width, h text height)
Top Overlay:
  circle w5.91: c196.85,196.85 r118.11
  circle w5.91: c196.85,3740.16 r118.11
  circle w5.91: c3740.16,3740.16 r118.11
  circle w5.91: c3740.16,196.85 r118.11
  text "BRICKWORKS 2021 / REV 1A 10/17/2021 / MATTHEW GLAZER" at 2460,3575 h60
  text "nRST      | GNDDET / NC/TDI    | KEY / SWO/TDO   | GND / CLK       | GND / SDWIO/TMS | 3V3" at 3334,983 h15 r270
Mechanical 1:
  the board outline again, w10

## Text inside footprints (layer, text, board x,y; h text height)
J1: Top Overlay "28" at 2114.25,3700.63 h20.16; Top Overlay "27" at 2114.25,3620.63 h20.16; Top Overlay "2" at 869,3760 h20.16; Top Overlay "1" at 874.25,3620.63 h20.16